# Altium PCB GameBoard_V1I1_Phase1.PcbDoc (part 1 of 18) (continued)
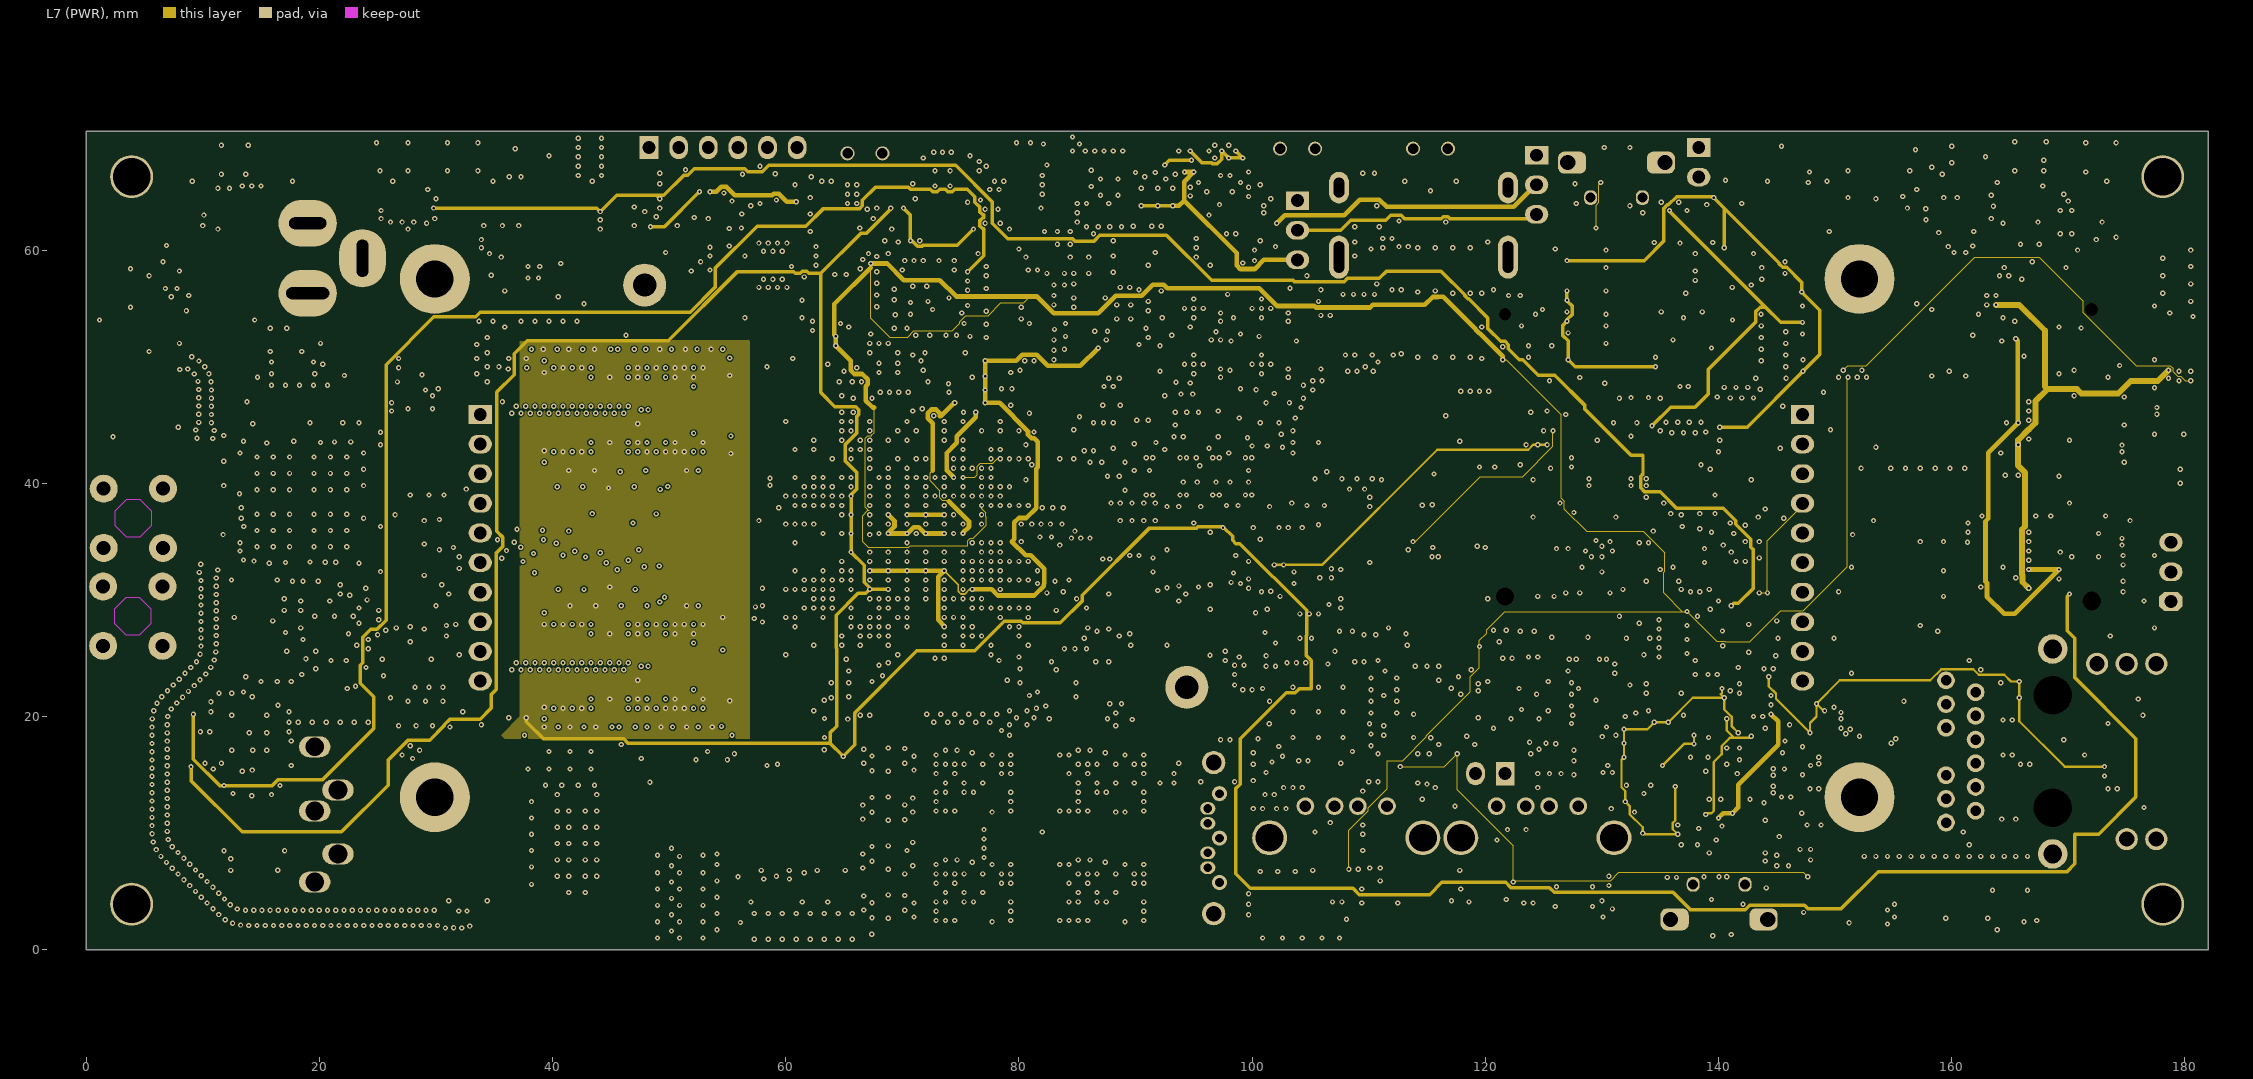
[diagram p7: L7 (PWR)]
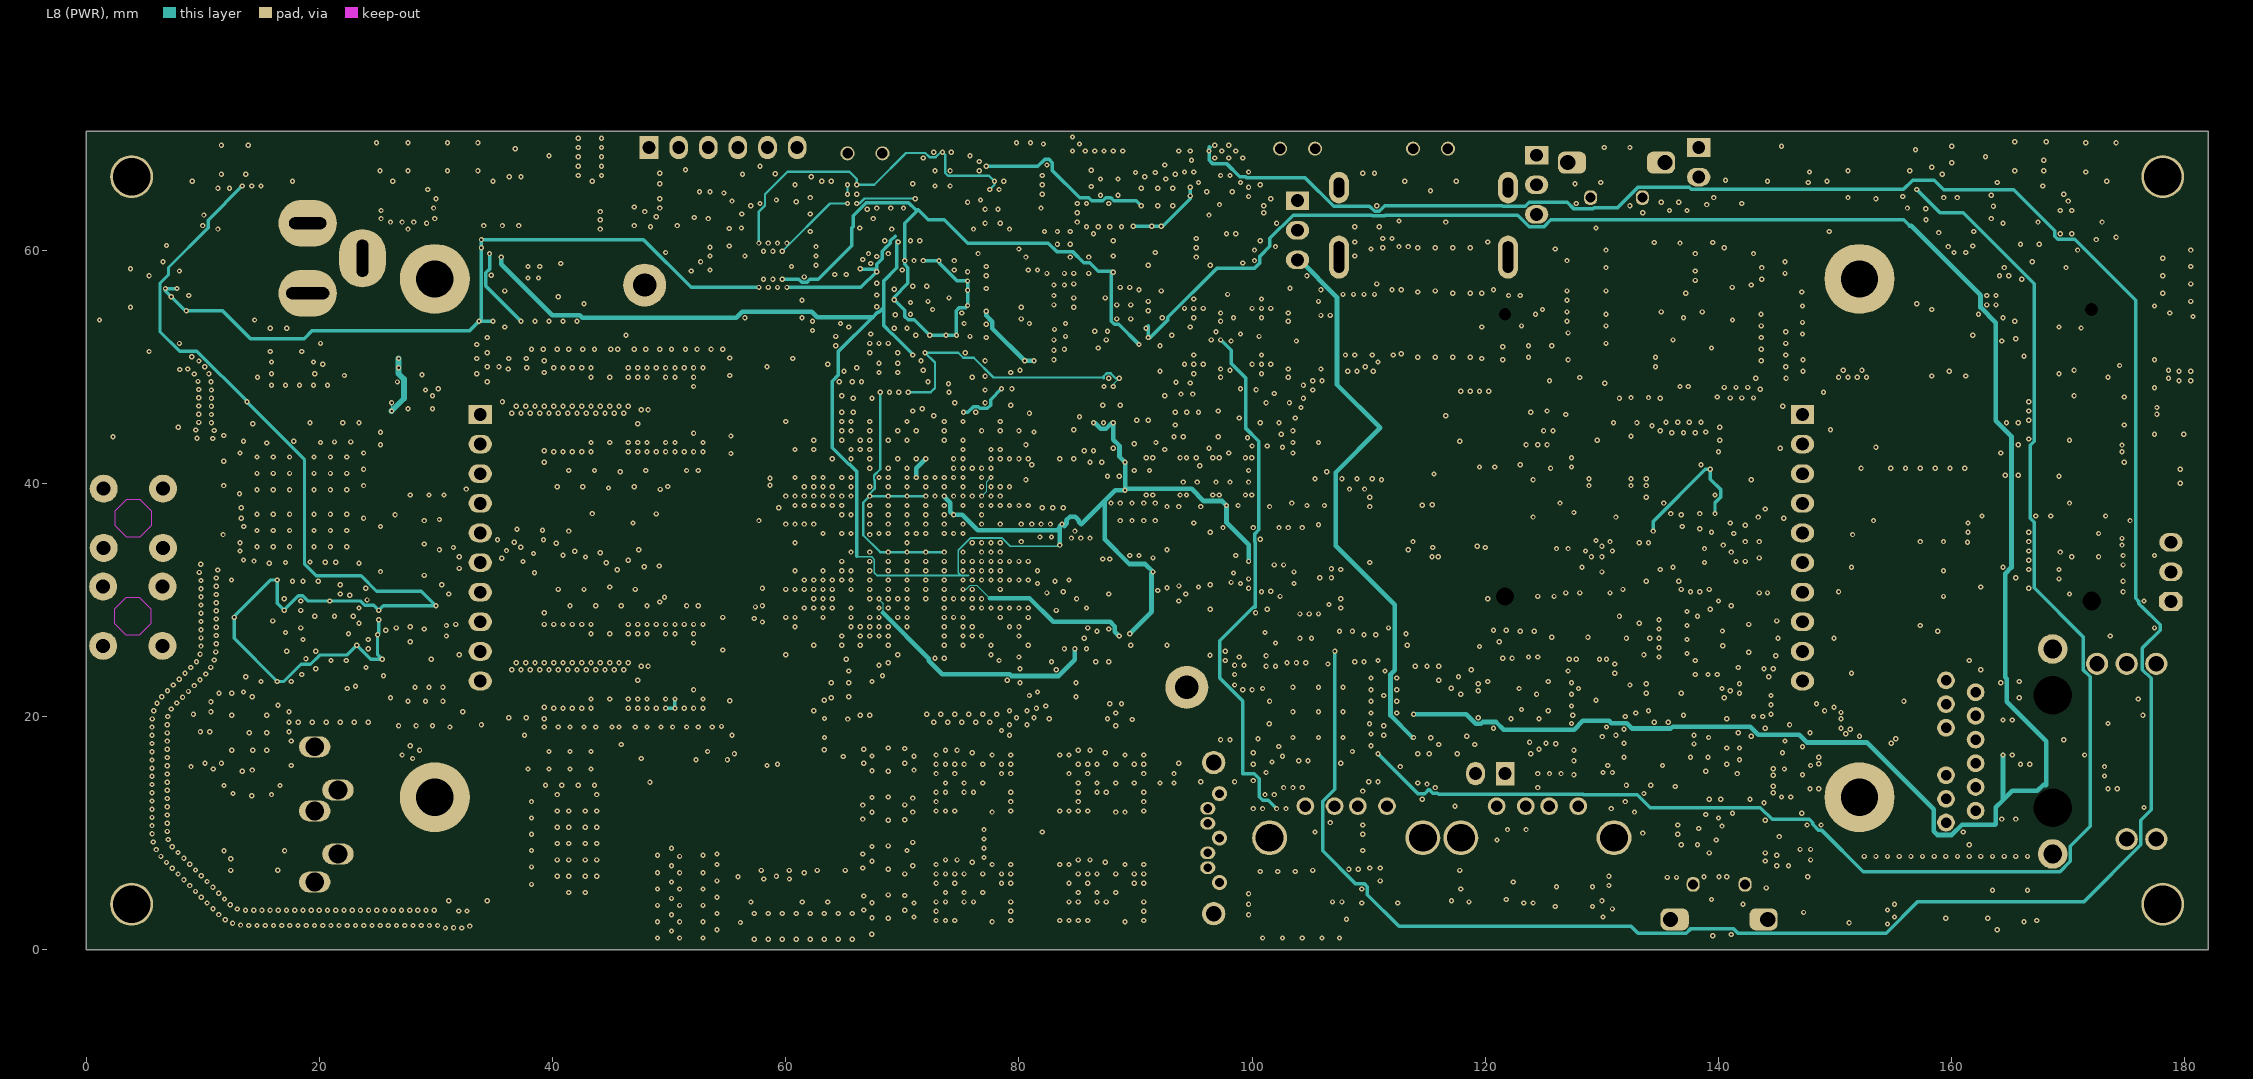
[diagram p8: L8 (PWR)]
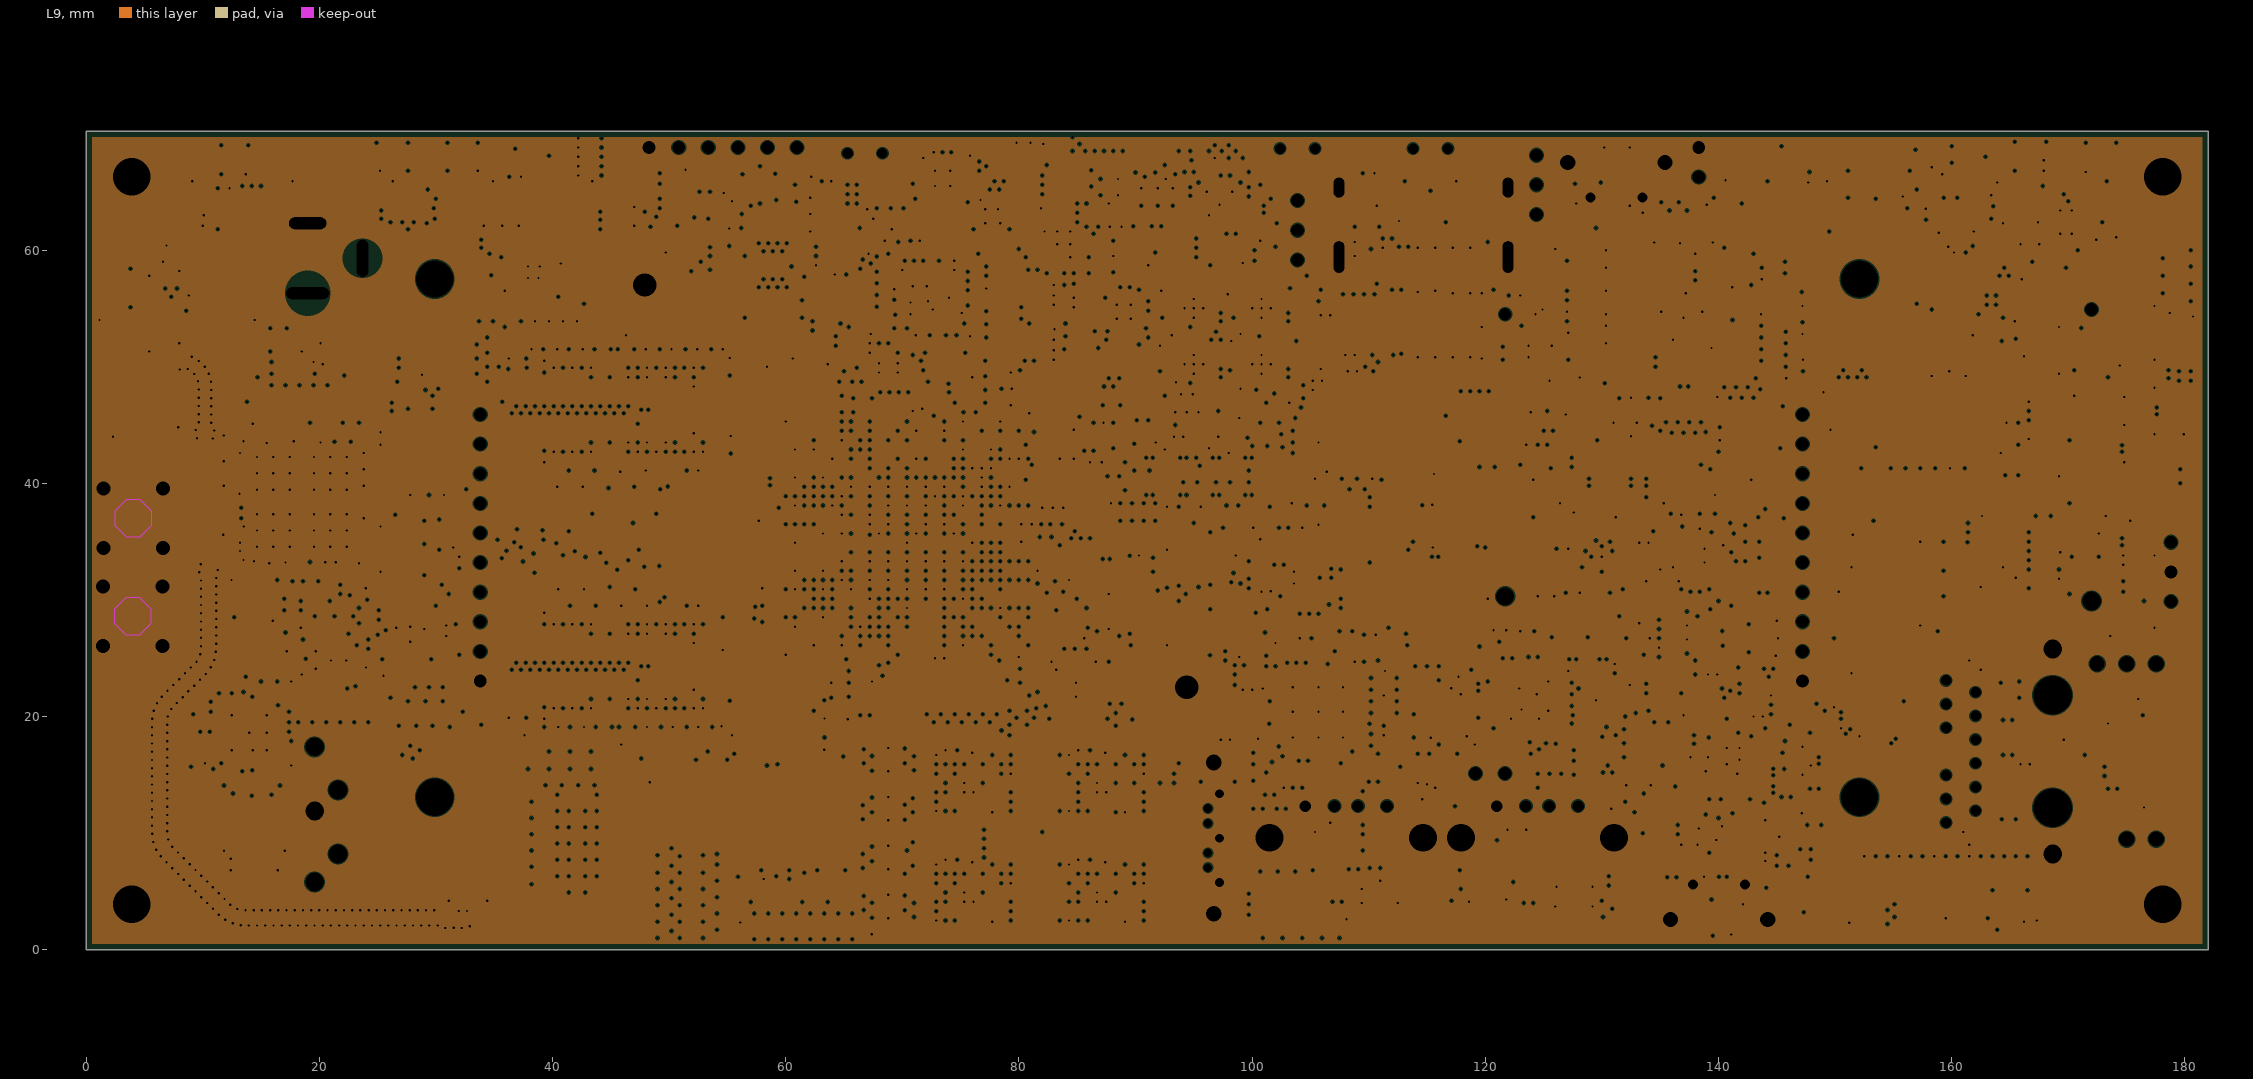
[diagram p9: L9, clearances drawn from the general rule]
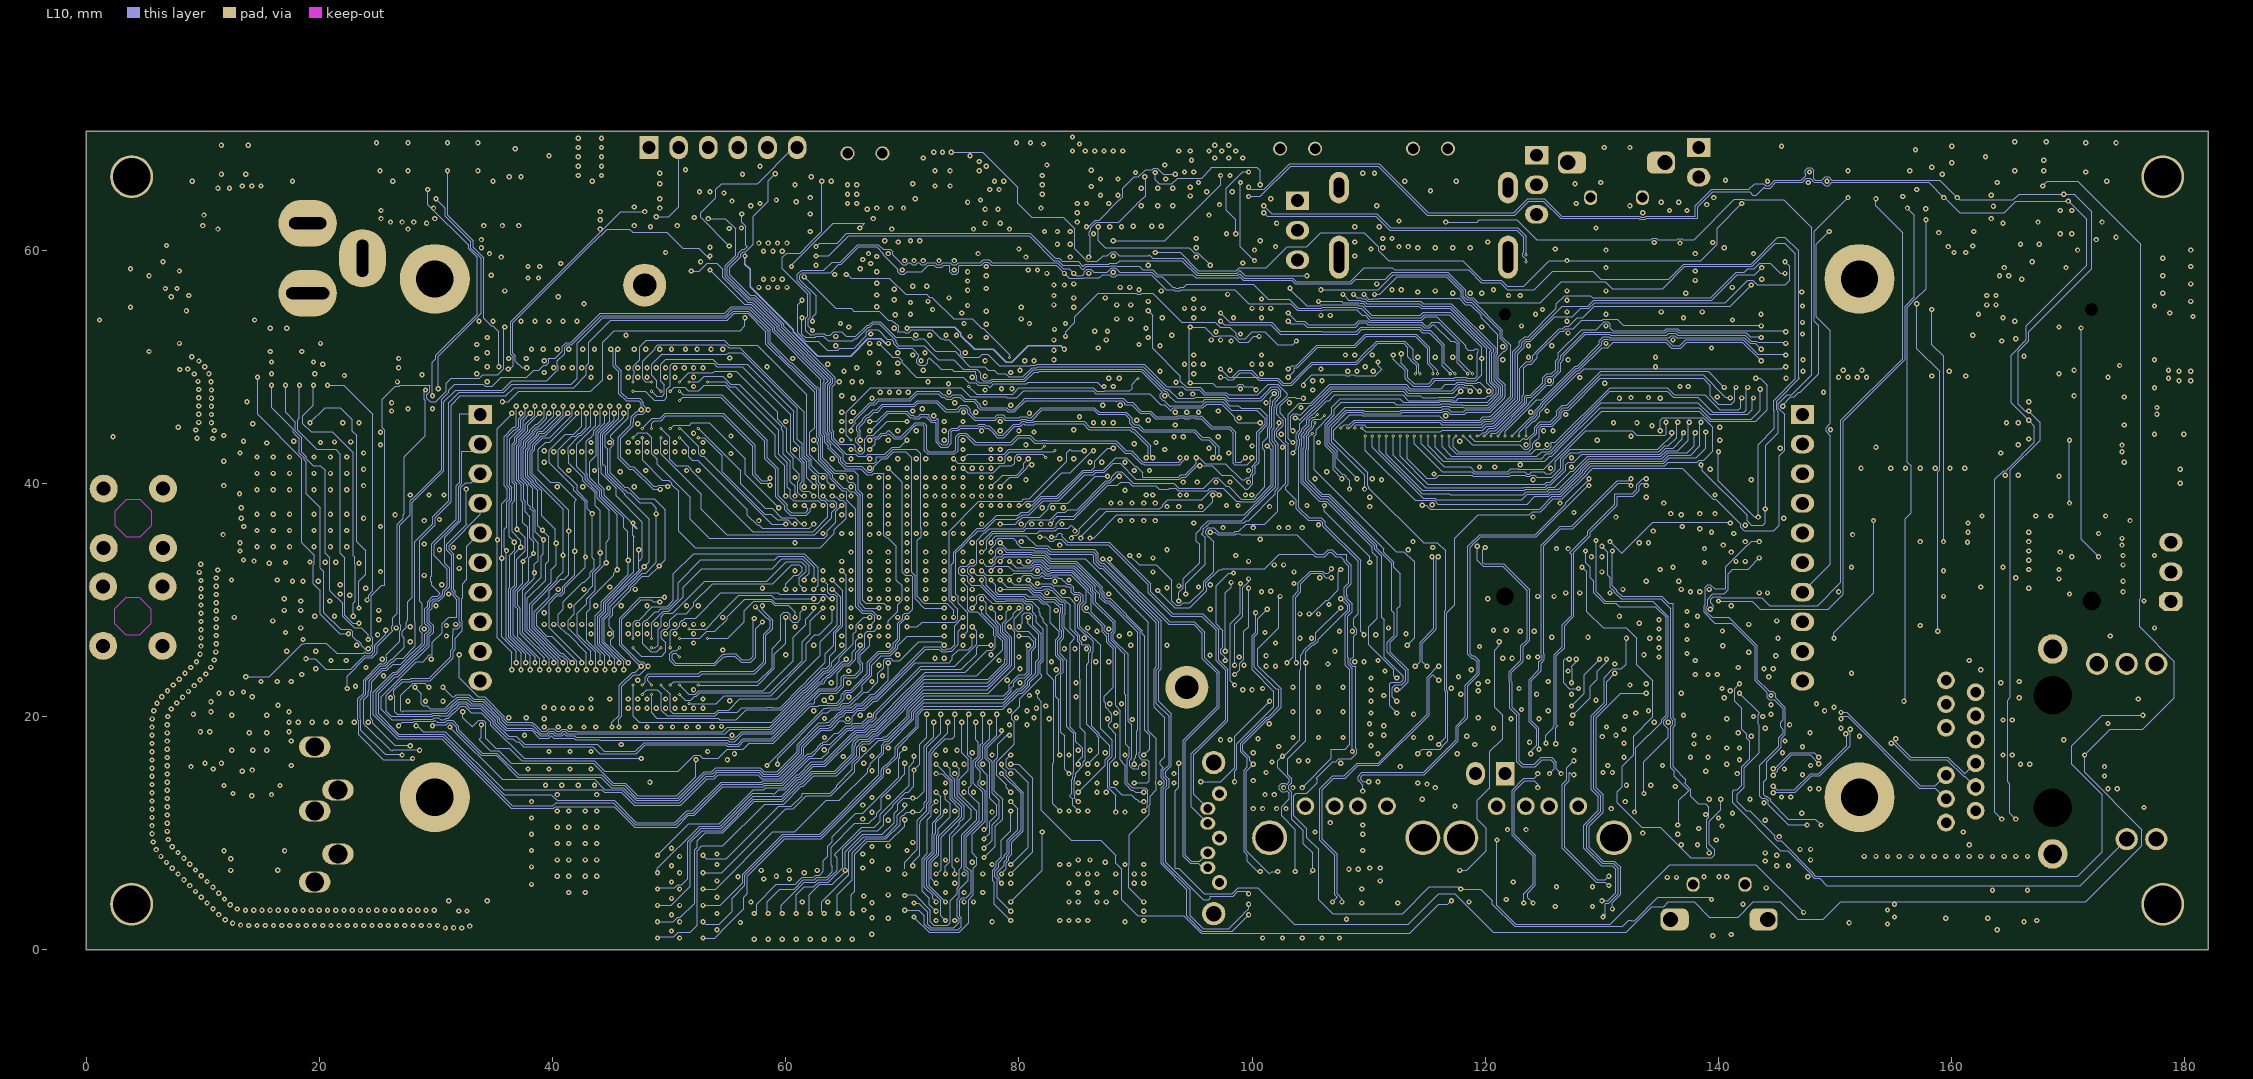
[diagram p10: L10]
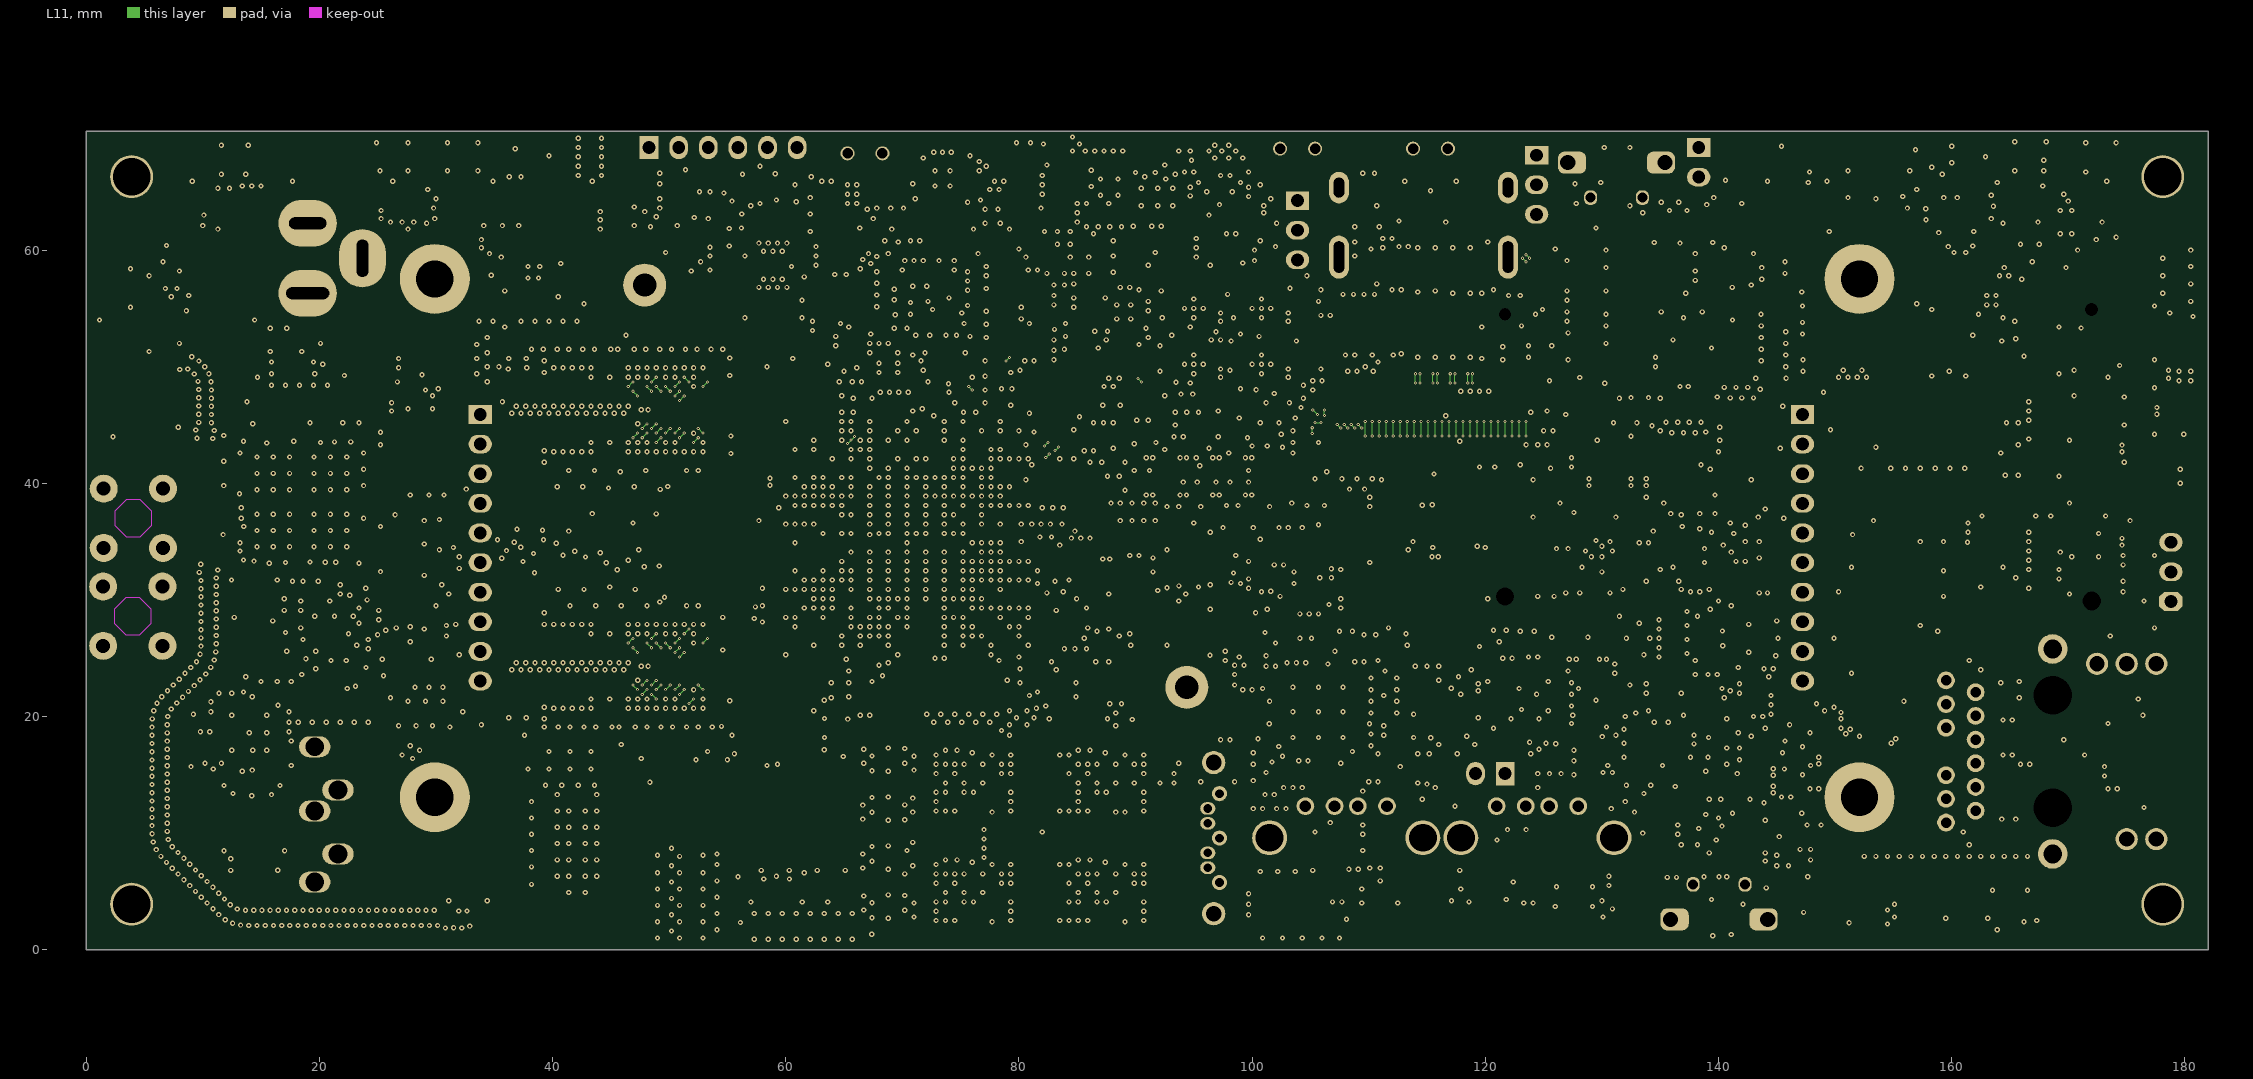
[diagram p11: L11]

## Layer stack, top to bottom
Top Solder: solder mask 0.02, Solder Resist, Dk 4.1
L1: signal copper 0.043
Dielectric1: core 0.074, VT47-1080, Dk 3.95
L2: signal copper 0.018
Dielectric2: prepreg 0.102, VT-47, Dk 4.12
L3: signal copper 0.018
Dielectric3: core 0.282, VT47-2113, Dk 4.06
L4: plane copper 0.036, net GND
Dielectric 11: prepreg 0.127, VT47-2113, Dk 4.2
L5 (PWR): signal copper 0.018
Dielectric4: core 0.254, VT-47, Dk 4.2
L6 (PWR): signal copper 0.018
Dielectric 8: prepreg 0.127, VT47-2113, Dk 4.2
L7 (PWR): signal copper 0.018
Dielectric 9: core 0.254, VT-47, Dk 4.2
L8 (PWR): signal copper 0.018
Dielectric5: prepreg 0.127, VT47-2113, Dk 4.2
L9: plane copper 0.036, net GND
Dielectric 10: core 0.254, VT-47, Dk 4.2
L10: signal copper 0.018
Dielectric6: prepreg 0.102, VT-47, Dk 4.12
L11: signal copper 0.018
Dielectric7: core 0.074, VT47-1080, Dk 3.95
L12: signal copper 0.043
Bottom Solder: solder mask 0.02, Solder Resist, Dk 4.1

## Board outline
0,0 182,0 182,70.2 0,70.2

## Design rules (kind name [scope] priority, off if disabled: settings)
Clearance "Pad Clearance" [IsPad vs IsPad] p1: gap=0.2 ignorepadtopadclearanceinfootprint=FALSE
Clearance "Clearance Non Plated Holes" [InPadClass('NPTH')] p2: gap=0.5 ignorepadtopadclearanceinfootprint=FALSE except(0: Arc-Hole Track-Hole SMDPad-Hole THPad-Hole Via-Hole Fill-Hole Poly-Hole Region-Hole Text-Hole)
Clearance "Poly to Poly Inner Layers" [IsRegion AND (OnLayer('L4 (PWR)') OR OnLayer('L5 (PWR)') OR OnLayer('L6 (PWR)') OR OnLayer('L7 (PWR)')) vs IsRegion] p3: gap=0.35 ignorepadtopadclearanceinfootprint=FALSE except(0: Arc-Hole Track-Hole SMDPad-Hole THPad-Hole Via-Hole Fill-Hole Poly-Hole Region-Hole Text-Hole)
Clearance "Poly to Poly Outer Layers" [IsRegion AND (OnLayer('L1') OR OnLayer('L10')) vs IsRegion or IsTrack] p4: gap=0.14 ignorepadtopadclearanceinfootprint=FALSE except(0: Arc-Hole Track-Hole SMDPad-Hole THPad-Hole Via-Hole Fill-Hole Poly-Hole Region-Hole Text-Hole)
Clearance "PWR Poly to VIA" [IsRegion AND (OnLayer('L4 (PWR)') OR OnLayer('L5 (PWR)') OR OnLayer('L6 (PWR)') OR OnLayer('L7 (PWR)')) vs IsVia] p5: gap=0.1 ignorepadtopadclearanceinfootprint=FALSE except(0: Arc-Hole Track-Hole SMDPad-Hole THPad-Hole Via-Hole Fill-Hole Poly-Hole Region-Hole Text-Hole)
Clearance [All] p6: gap=0.1 ignorepadtopadclearanceinfootprint=FALSE except(0: Arc-Hole Track-Hole SMDPad-Hole THPad-Hole Via-Hole Fill-Hole Poly-Hole Region-Hole Text-Hole)
ComponentClearance "Temp Address" [InComponent('R243') vs InComponent('R245')] p1: gap=0 collisioncheckmode=3 verticalgap=0 showdistances=FALSE
ComponentClearance "HDMI DRVSTR Sel" [InComponent('R342') vs InComponent('R345')] p2: gap=0 collisioncheckmode=3 verticalgap=0 showdistances=FALSE
ComponentClearance "HDMI OCK_INV Sel" [InComponent('R350') vs InComponent('R351')] p3: gap=0 collisioncheckmode=3 verticalgap=0 showdistances=FALSE
ComponentClearance "CPU_GPIO0 Pull Select" [InComponent('R220') vs InComponent('R229')] p4: gap=0 collisioncheckmode=3 verticalgap=0 showdistances=FALSE
ComponentClearance "CPU_GPIO0 Pull Select_1" [InComponent('R221') vs InComponent('R230')] p5: gap=0 collisioncheckmode=3 verticalgap=0 showdistances=FALSE
ComponentClearance "Gyro COMP_SA1" [InComponent('R261') vs InComponent('R262')] p6: gap=0 collisioncheckmode=3 verticalgap=0 showdistances=FALSE
ComponentClearance Battery [InComponent('BAT1') vs not InComponent('LCD2') or not InComponent('J9')] p7: gap=0 collisioncheckmode=3 verticalgap=0 showdistances=FALSE
ComponentClearance "Charger to LCD" [InComponent('LCD2') vs InComponent('J17')] p8: gap=0 collisioncheckmode=3 verticalgap=0 showdistances=FALSE
ComponentClearance "PCIe card model" [InComponent('CR1') vs InComponent('J3') or InComponent('J2')] p9: gap=0 collisioncheckmode=3 verticalgap=0 showdistances=FALSE
ComponentClearance "Feducial to Mounting Hole" [InComponent('MH1') or InComponent('MH2') or InComponent('MH3') or InComponent('MH4') vs InComponent('FID1') or InComponent('FID2') or InComponent('FID3') or InComponent('FID4') or InComponent('FID5') or InComponent('FID6') or InComponent('FID7') or InComponent('FID8')] p10: gap=0 collisioncheckmode=3 verticalgap=0 showdistances=FALSE
ComponentClearance "SIM Card model" [InComponent('CR1') or InComponent('CR2') vs InComponent('J4')] p11: gap=0 collisioncheckmode=3 verticalgap=0 showdistances=FALSE
ComponentClearance "SD Card model to SD slot" [InComponent('CR3') vs InComponent('J11')] p12: gap=0 collisioncheckmode=3 verticalgap=0 showdistances=FALSE
ComponentClearance USB0_N [InComponent('R160') vs InComponent('R157') or InComponent('R162')] p13: gap=0 collisioncheckmode=3 verticalgap=0 showdistances=FALSE
ComponentClearance USB0_P [InComponent('R167') vs InComponent('R164') or InComponent('R168')] p14: gap=0 collisioncheckmode=3 verticalgap=0 showdistances=FALSE
ComponentClearance USB1_N [InComponent('R170') vs InComponent('R169') or InComponent('R171')] p15: gap=0 collisioncheckmode=3 verticalgap=0 showdistances=FALSE
ComponentClearance USB1_P [InComponent('R174') vs InComponent('R172') or InComponent('R175')] p16: gap=0 collisioncheckmode=3 verticalgap=0 showdistances=FALSE
ComponentClearance "USB1_N R0805" [InComponent('R179') vs InComponent('R177') or InComponent('R178')] p17: gap=0 collisioncheckmode=3 verticalgap=0 showdistances=FALSE
ComponentClearance "USB1_LCD_N R0805" [InComponent('R161') vs InComponent('R158') or InComponent('R159')] p18: gap=0 collisioncheckmode=3 verticalgap=0 showdistances=FALSE
ComponentClearance "USB1_P R0805" [InComponent('R180') vs InComponent('R181') or InComponent('R182')] p19: gap=0 collisioncheckmode=3 verticalgap=0 showdistances=FALSE
ComponentClearance "USB1_LCD_P R0805" [InComponent('R163') vs InComponent('R165') or InComponent('R166')] p20: gap=0 collisioncheckmode=3 verticalgap=0 showdistances=FALSE
ComponentClearance "USB1_N R0402" [InComponent('R177') vs InComponent('R178')] p21: gap=0 collisioncheckmode=3 verticalgap=0 showdistances=FALSE
ComponentClearance "USB1_LCD_N R0402" [InComponent('R158') vs InComponent('R159')] p22: gap=0 collisioncheckmode=3 verticalgap=0 showdistances=FALSE
ComponentClearance "USB1_P R0402" [InComponent('R181') vs InComponent('R182')] p23: gap=0 collisioncheckmode=3 verticalgap=0 showdistances=FALSE
ComponentClearance "USB1_LCD_P R0402" [InComponent('R165') vs InComponent('R166')] p24: gap=0 collisioncheckmode=3 verticalgap=0 showdistances=FALSE
ComponentClearance CSI_D0_N [InComponent('R443') vs InComponent('R444')] p25: gap=0 collisioncheckmode=3 verticalgap=0 showdistances=FALSE
ComponentClearance CSI_D0_P [InComponent('R445') vs InComponent('R446')] p26: gap=0 collisioncheckmode=3 verticalgap=0 showdistances=FALSE
ComponentClearance CSI_D1_N [InComponent('R447') vs InComponent('R448')] p27: gap=0 collisioncheckmode=3 verticalgap=0 showdistances=FALSE
ComponentClearance CSI_D1_P [InComponent('R449') vs InComponent('R450')] p28: gap=0 collisioncheckmode=3 verticalgap=0 showdistances=FALSE
ComponentClearance CSI_D2_N [InComponent('R455') vs InComponent('R453')] p29: gap=0 collisioncheckmode=3 verticalgap=0 showdistances=FALSE
ComponentClearance CSI_D2_P [InComponent('R457') vs InComponent('R460')] p30: gap=0 collisioncheckmode=3 verticalgap=0 showdistances=FALSE
ComponentClearance CSI_D2_P_1 [InComponent('R457') vs InComponent('R460')] p31: gap=0 collisioncheckmode=3 verticalgap=0 showdistances=FALSE
ComponentClearance LVDS0_CLK_N [InComponent('R461') vs InComponent('R462')] p32: gap=0 collisioncheckmode=3 verticalgap=0 showdistances=FALSE
ComponentClearance LVDS0_CLK_P [InComponent('R463') vs InComponent('R464')] p33: gap=0 collisioncheckmode=3 verticalgap=0 showdistances=FALSE
ComponentClearance CAN [InComponent('U19') vs InComponent('R41') or InComponent('R117')] p34: gap=0 collisioncheckmode=3 verticalgap=0 showdistances=FALSE
ComponentClearance "Reset circuit" [InComponent('U11') vs InComponent('R99')] p35: gap=0 collisioncheckmode=3 verticalgap=0 showdistances=FALSE
ComponentClearance "UART4_TXD PWM selection_1" [InComponent('R366') vs InComponent('R367') or InComponent('R368')] p36: gap=0 collisioncheckmode=3 verticalgap=0 showdistances=FALSE
ComponentClearance "UART4_TXD PWM selection_2" [InComponent('R369') vs InComponent('R367') or InComponent('R368')] p37: gap=0 collisioncheckmode=3 verticalgap=0 showdistances=FALSE
ComponentClearance "1V2_ETH source selection" [InComponent('R119') vs InComponent('R122')] p38: gap=0 collisioncheckmode=3 verticalgap=0 showdistances=FALSE
ComponentClearance "1V2_ETH output selection" [InComponent('R117') vs InComponent('R118')] p39: gap=0 collisioncheckmode=3 verticalgap=0 showdistances=FALSE
ComponentClearance "Beads MCU power" [InComponent('FB36') vs InComponent('FB37')] p40: gap=0 collisioncheckmode=3 verticalgap=0 showdistances=FALSE
ComponentClearance "Beads 5V MPCIe" [InComponent('FB10') vs InComponent('FB11')] p41: gap=0 collisioncheckmode=3 verticalgap=0 showdistances=FALSE
ComponentClearance "Beads 5V USB Bottom" [InComponent('FB13') vs InComponent('FB14')] p42: gap=0 collisioncheckmode=3 verticalgap=0 showdistances=FALSE
ComponentClearance "Beads Audio VDDD" [InComponent('FB17') vs InComponent('FB18')] p43: gap=0 collisioncheckmode=3 verticalgap=0 showdistances=FALSE
ComponentClearance "Beads Audio VDDA" [InComponent('FB16') vs InComponent('FB20')] p44: gap=0 collisioncheckmode=3 verticalgap=0 showdistances=FALSE
ComponentClearance "Beads CAN poer" [InComponent('FB43') vs InComponent('FB44')] p45: gap=0 collisioncheckmode=3 verticalgap=0 showdistances=FALSE
ComponentClearance "Header J1 5V selection" [InComponent('FB34') vs InComponent('FB35')] p46: gap=0 collisioncheckmode=3 verticalgap=0 showdistances=FALSE
ComponentClearance "Header J1 3V3 selection" [InComponent('FB40') vs InComponent('FB42')] p47: gap=0 collisioncheckmode=3 verticalgap=0 showdistances=FALSE
ComponentClearance "Header J2 5V selection" [InComponent('FB26') vs InComponent('FB30')] p48: gap=0 collisioncheckmode=3 verticalgap=0 showdistances=FALSE
ComponentClearance "Header J2 3V3 selection" [InComponent('FB25') vs InComponent('FB29')] p49: gap=0 collisioncheckmode=3 verticalgap=0 showdistances=FALSE
ComponentClearance "Diodes Serial console power" [InComponent('D30') vs InComponent('D38')] p50: gap=0 collisioncheckmode=3 verticalgap=0 showdistances=FALSE
ComponentClearance "MH2 and LED transistor" [InComponent('MH2') vs InComponent('Q6')] p51: gap=0 collisioncheckmode=3 verticalgap=0 showdistances=FALSE
ComponentClearance "ANT1 select" [InComponent('R532') vs InComponent('R534')] p52: gap=0 collisioncheckmode=3 verticalgap=0 showdistances=FALSE
ComponentClearance "ANT2 select" [InComponent('R544') vs InComponent('R547')] p53: gap=0 collisioncheckmode=3 verticalgap=0 showdistances=FALSE
ComponentClearance BT_EN_R [InComponent('R623') vs InComponent('R624')] p54: gap=0 collisioncheckmode=3 verticalgap=0 showdistances=FALSE
ComponentClearance WIFI_DATA0 [InComponent('R562') vs InComponent('R563')] p55: gap=0 collisioncheckmode=3 verticalgap=0 showdistances=FALSE
ComponentClearance WIFI_DATA1 [InComponent('R564') vs InComponent('R565')] p56: gap=0 collisioncheckmode=3 verticalgap=0 showdistances=FALSE
ComponentClearance WIFI_DATA2 [InComponent('R566') vs InComponent('R567')] p57: gap=0 collisioncheckmode=3 verticalgap=0 showdistances=FALSE
ComponentClearance WIFI_DATA3 [InComponent('R568') vs InComponent('R569')] p58: gap=0 collisioncheckmode=3 verticalgap=0 showdistances=FALSE
ComponentClearance WIFI_CMD [InComponent('R570') vs InComponent('R571')] p59: gap=0 collisioncheckmode=3 verticalgap=0 showdistances=FALSE
ComponentClearance WIFI_CLK [InComponent('R572') vs InComponent('R573')] p60: gap=0 collisioncheckmode=3 verticalgap=0 showdistances=FALSE
ComponentClearance SDI_DATA0 [InComponent('R591') vs InComponent('R592')] p61: gap=0 collisioncheckmode=3 verticalgap=0 showdistances=FALSE
ComponentClearance SDI_DATA1 [InComponent('R593') vs InComponent('R594')] p62: gap=0 collisioncheckmode=3 verticalgap=0 showdistances=FALSE
ComponentClearance SDI_DATA2 [InComponent('R595') vs InComponent('R596')] p63: gap=0 collisioncheckmode=3 verticalgap=0 showdistances=FALSE
ComponentClearance SDI_DATA3 [InComponent('R597') vs InComponent('R598')] p64: gap=0 collisioncheckmode=3 verticalgap=0 showdistances=FALSE
ComponentClearance SDI_CMD [InComponent('R599') vs InComponent('R600')] p65: gap=0 collisioncheckmode=3 verticalgap=0 showdistances=FALSE
ComponentClearance SDI_CLK [InComponent('R602') vs InComponent('R601')] p66: gap=0 collisioncheckmode=3 verticalgap=0 showdistances=FALSE
ComponentClearance SD2_DATA0 [InComponent('R603') vs InComponent('R604')] p67: gap=0 collisioncheckmode=3 verticalgap=0 showdistances=FALSE
ComponentClearance SD2_DATA1 [InComponent('R605') vs InComponent('R606')] p68: gap=0 collisioncheckmode=3 verticalgap=0 showdistances=FALSE
ComponentClearance SD2_DATA2 [InComponent('R607') vs InComponent('R608')] p69: gap=0 collisioncheckmode=3 verticalgap=0 showdistances=FALSE